# Altium PCB MB1428.PcbDoc (part 2 of 7) (continued)
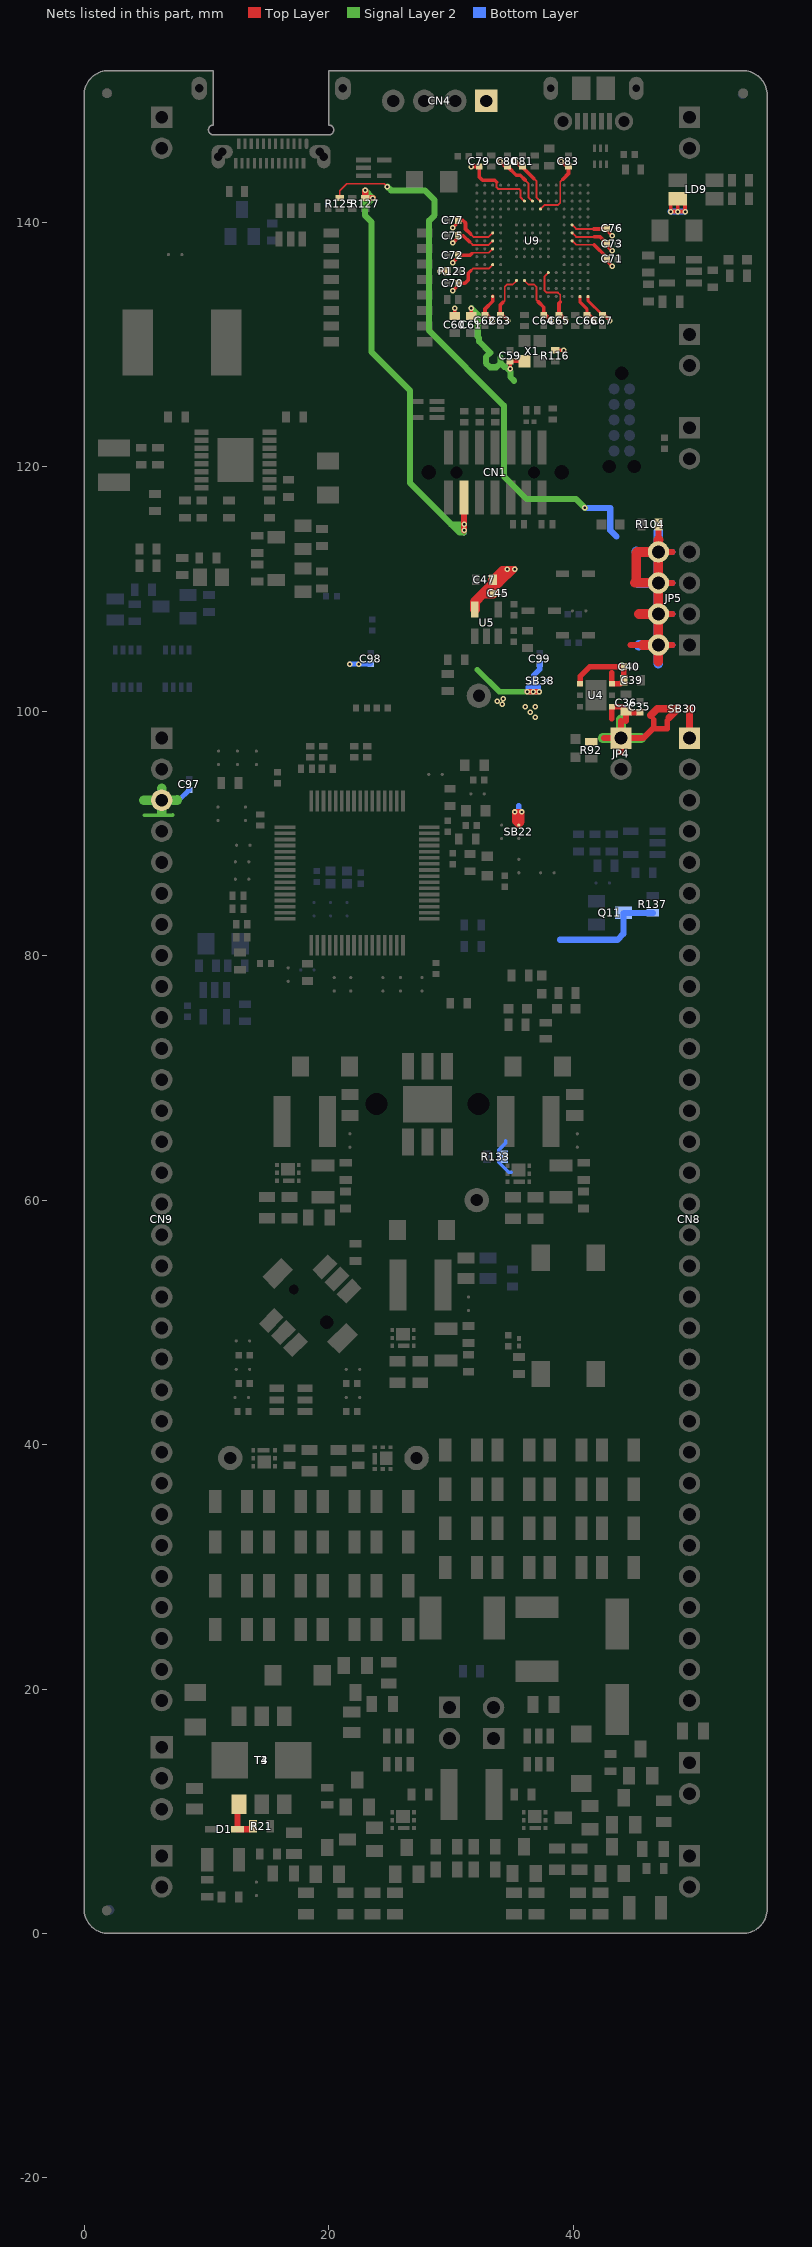
[diagram p4: the nets of this part, all layers, seen from the top]
## Part data (continued)
Q1 Q2 Q3 Q4: library part MCD-01518, "MOSFET, Single N-Channel , Vgs(th): 2.5V, Id: 280mA, Vds(max): 60V, Vgs(max): +/-20V, Rdson:3 ohm@Vgs=5V", Alternate_Manufacturer=FAIRCHILD, Alternate_Manufacturer_Part_Number=NDS7002A, Manufacturer="ON SEMICONDUCTOR", Package=SOT23-3L, ComponentLink1Description=Datasheet, ComponentLink1URL=http://tunmcdsvn.tun.st.com/Component_Datasheet_Library/Trunk/IC/ON_SEMICONDUCTOR_MOSFET_NDS7002A/ON_SEMICONDUCTOR_MOSFET_NDS7002A.pdf, Internal_Part_Number=MCD-01518, Manufacturer_Part_Number=NDS7002A, Part_Type=IC, Provided_By=SUBCO, Status="Footprint available"
Q5 Q6: library part MCD-01527, "Transistor Bipolar PNP, 45V, 500mA, 100MHz, 300mW, SOT23-3", Alternate_Manufacturer=NXP, Alternate_Manufacturer_Part_Number=BC807, Manufacturer=NEXPERIA, Package=PNP_SOT23, ComponentLink1Description=Datasheet, ComponentLink1URL=http://tunmcdsvn.tun.st.com/Component_Datasheet_Library/Trunk/IC/NEXPERIA_Transistor_BC807/NEXPERIA_BC807_BC807W_BC327.pdf, Internal_Part_Number=MCD-01527, Manufacturer_Part_Number=BC807, Part_Type=IC, Provided_By=SUBCO, Status="Footprint available"
Q7 Q8: library part MCD-01526, "Transistor Bipolar NPN, 45V, 500mA, 100MHz, 300mW, SOT23-3", Alternate_Manufacturer=NXP, Alternate_Manufacturer_Part_Number=BC817, Manufacturer=NEXPERIA, Package=SOT23-3, ComponentLink1Description=Datasheet, ComponentLink1URL=http://tunmcdsvn.tun.st.com/Component_Datasheet_Library/Trunk/IC/NEXPERIA_Transistor_BC817/NEXPERIA_BC817_BC817W_BC337.pdf, Internal_Part_Number=MCD-01526, Manufacturer_Part_Number=BC817, Part_Type=IC, Provided_By=SUBCO, Status="Footprint available"
Q9 Q10 Q14: library part MCD-00151, "N-channel enhancement mode field-effect transistor", Manufacturer=NXP, Manufacturer_Part_Number=BSN20, ComponentLink1Description=Datasheet, ComponentLink1URL=http://tunmcdsvn.tun.st.com/Component_Datasheet_Library/Trunk/IC/NXP_Transistor_BSN20BK_SOT23, Internal_Part_Number=MCD-00151, Part_Type=IC, Provided_By=SUBCO, Status=Released
Q11: library part MCD-01737, "NPN Bipolar Transistor", Manufacturer="ON SEMICONDUCTOR", Manufacturer_Part_Number=MMBT2222ALT1G, ComponentLink1Description=Datasheet, ComponentLink1URL=http://tunmcdsvn.tun.st.com/Component_Datasheet_Library/Trunk/IC/ON_SEMICONDUCTOR_Transistor_MMBT2222ALT1G/ON_SEMICONDUCTOR_Transistor_MMBT2222ALT1G.pdf, Internal_Part_Number=MCD-01737, Part_Type=IC, Provided_By=SUBCO, Status="Footprint available"
Q12 Q13: library part MCD-01126, "Power Mosfet, P-channel,VDS -30V,RDS 12mohm typ,ID -9A", Manufacturer=STMICROELECTRONICS, Manufacturer_Part_Number=STL9P3LLH6, Package="PowerFLAT 3.3x3.3", ComponentLink1Description=Datasheet, ComponentLink1URL=http://tunmcdsvn.tun.st.com/Component_Datasheet_Library/Trunk/IC/STM_POWER_MOSFET_P_STL9P3LLH6, Internal_Part_Number=MCD-01126, Part_Type=IC, Provided_By="SUBCO with ST control", Status=Checked
R1 R7 R12 R13 R66 R71 R73: library part MCD-01154, "Resistor,10K,0805,1%,1/8W", Manufacturer=YAGEO, Manufacturer_Part_Number=RC0805FR-0710KL, Package=R0805, ComponentLink1Description=Datasheet, ComponentLink1URL=http://tunmcdsvn.tun.st.com/Component_Datasheet_Library/Trunk/Resistors/Yageo_Resistor_RC0805-series, Internal_Part_Number=MCD-01154, Part_Type=Resistor, Provided_By=SUBCO, Status=Released
R2 R8 R15 R19 R20 R28 R57 R58 R65 R72 R74 R75: library part MCD-01548, "Resistor,10R,0805,1%, 1/8W", Manufacturer=YAGEO, Manufacturer_Part_Number=RC0805FR-0710RL, Package=R0805, ComponentLink1Description=Datasheet, ComponentLink1URL=http://tunmcdsvn.tun.st.com/Component_Datasheet_Library/Trunk/Resistors/Yageo_Resistor_RC0805-series/Yageo_Resistor_RC0805-series.pdf, Internal_Part_Number=MCD-01548, Part_Type=Resistor, Provided_By=SUBCO, Status="Footprint available"
R3 R4 R5 R6: library part MCD-01537, "Resistor,270R,0805,1%,1/8W", Manufacturer=YAGEO, Manufacturer_Part_Number=RC0805FR-07270RL, Package=R0805, ComponentLink1Description=Datasheet, ComponentLink1URL=http://tunmcdsvn.tun.st.com/Component_Datasheet_Library/Trunk/Resistors/Yageo_Resistor_RC0805-series/Yageo_Resistor_RC0805-series.pdf, Internal_Part_Number=MCD-01537, Part_Type=Resistor, Provided_By=SUBCO, Status="Footprint available"
R9: library part MCD-01546, "Resistor, 1R, 1206, 0.1%, 1/4W", Manufacturer=YAGEO, Manufacturer_Part_Number=RT1206BRD071RL, Package=R1206, ComponentLink1Description=Datasheet, ComponentLink1URL=http://tunmcdsvn.tun.st.com/Component_Datasheet_Library/Trunk/Resistors/YAGEO_Resistor_RT_series_High_Precision/YAGEO_Resistor_RT_series_High_Precision_1-to-0.01_RoHS_L_9.pdf, Internal_Part_Number=MCD-01546, Part_Type=Resistor, Provided_By=SUBCO, Status="Footprint available"
R10: library part MCD-00056, "Resistor,0R,0603,5%,1/10W", Manufacturer=YAGEO, Manufacturer_Part_Number=RC0603JR-070RL, Package=R0603, ComponentLink1Description=Datasheet, ComponentLink1URL=http://tunmcdsvn.tun.st.com/Component_Datasheet_Library/Trunk/Resistors/Yageo_Resistor_RC0603-series, ECCN_EU=NEC, ECCN_US=EAR99, Internal_Part_Number=MCD-00056, Part_Type=Resistor, Provided_By=SUBCO, Status=Released
R11: library part MCD-01654, "Resistor, 6K8, 0805, 0.1%, 1/8W, 50ppm", Manufacturer=VIKING, Manufacturer_Part_Number=AR05BTD6801, Package=R0805, ComponentLink1Description=Datasheet, ComponentLink1URL=http://tunmcdsvn.tun.st.com/Component_Datasheet_Library/Trunk/Resistors/VIKING_AR-Series_High_Precision/Viking_AR-Series_High_Precision.pdf, Internal_Part_Number=MCD-01654, Part_Type=Resistor, Provided_By=SUBCO, Status="Footprint available"
R14 R27: library part MCD-01547, "Resistor,47R,0805,1%,1/8W", Manufacturer=YAGEO, Manufacturer_Part_Number=RC0805FR-0747RL, Package=R0805, ComponentLink1Description=Datasheet, ComponentLink1URL=http://tunmcdsvn.tun.st.com/Component_Datasheet_Library/Trunk/Resistors/Yageo_Resistor_RC0805-series/Yageo_Resistor_RC0805-series.pdf, Internal_Part_Number=MCD-01547, Part_Type=Resistor, Provided_By=SUBCO, Status="Footprint available"
R16: library part MCD-01881, "Resistor,187R,1206,1%,1/4W", Manufacturer=YAGEO, Manufacturer_Part_Number=RC1206FR-07187RL, Package=R1206, ComponentLink1Description=Datasheet, ComponentLink1URL=http://tunmcdsvn.tun.st.com/Component_Datasheet_Library/Trunk/Resistors/Yageo_Resistor_RC1206-series/Yageo_Resistor_RC1206-series.pdf, ECCN_EU=n/a, ECCN_US=n/a, Internal_Part_Number=MCD-01881, Order_Code_Digikey=n/a, Order_Code_Farnell=n/a, Order_Code_RS=n/a, Part_Type=Resistor, Provided_By=SUBCO, Status="Footprint available"
R17: library part MCD-01652, "Resistor, 27K, 0805, 0.1%, 1/8W, 50ppm", Manufacturer=VIKING, Manufacturer_Part_Number=AR05BTD2702, Package=R0805, ComponentLink1Description=Datasheet, ComponentLink1URL=http://tunmcdsvn.tun.st.com/Component_Datasheet_Library/Trunk/Resistors/VIKING_AR-Series_High_Precision/Viking_AR-Series_High_Precision.pdf, Internal_Part_Number=MCD-01652, Part_Type=Resistor, Provided_By=SUBCO, Status="Footprint available"
R18: library part MCD-01653, "Resistor, 3K3, 0805, 0.1%, 1/8W, 50ppm", Manufacturer=VIKING, Manufacturer_Part_Number=AR05BTD3301, Package=R0805, ComponentLink1Description=Datasheet, ComponentLink1URL=http://tunmcdsvn.tun.st.com/Component_Datasheet_Library/Trunk/Resistors/VIKING_AR-Series_High_Precision/Viking_AR-Series_High_Precision.pdf, Internal_Part_Number=MCD-01653, Part_Type=Resistor, Provided_By=SUBCO, Status="Footprint available"
R21: library part MCD-01882, "Resistor,5K1,0603,1%,1/10W", Manufacturer=YAGEO, Manufacturer_Part_Number=RC0603FR-075K1L, Package=R0603, ComponentLink1Description=Datasheet, ComponentLink1URL=http://tunmcdsvn.tun.st.com/Component_Datasheet_Library/Trunk/Resistors/Yageo_Resistor_RC0603-series, ECCN_EU=n/a, ECCN_US=n/a, Internal_Part_Number=MCD-01882, Part_Type=Resistor, Provided_By=SUBCO, Status="Footprint available"
R22: library part MCD-01649, "Resistor, 13K3, 0805, 0.1%, 1/8W, 50ppm", Manufacturer=VIKING, Manufacturer_Part_Number=AR05BTD1332, Package=R0805, ComponentLink1Description=Datasheet, ComponentLink1URL=http://tunmcdsvn.tun.st.com/Component_Datasheet_Library/Trunk/Resistors/VIKING_AR-Series_High_Precision/Viking_AR-Series_High_Precision.pdf, Internal_Part_Number=MCD-01649, Part_Type=Resistor, Provided_By=SUBCO, Status="Footprint available"
R23 R26 R80 R82 R121: library part MCD-00070, "Resistor,1K,0603,1%,1/10W", Manufacturer=YAGEO, Manufacturer_Part_Number=RC0603FR-071KL, Package=R0603, ComponentLink1Description=Datasheet, ComponentLink1URL=http://tunmcdsvn.tun.st.com/Component_Datasheet_Library/Trunk/Resistors/Yageo_Resistor_RC0603-series, Internal_Part_Number=MCD-00070, Part_Type=Resistor, Provided_By=SUBCO, Status=Released
R24 R25 R132 R133: library part MCD-00181, "Resistor,0R,0603,ULO", Manufacturer=ROHM, Manufacturer_Part_Number=PMR03EZPJ000, Package=R0603, ComponentLink1Description=Datasheet, ComponentLink1URL=http://tunmcdsvn.tun.st.com/Component_Datasheet_Library/Trunk/Resistors/ROHM_ULtra_low_Ohmic_Resistor_PMR10EZPJ000, Internal_Part_Number=MCD-00181, Part_Type=Resistor, Provided_By=SUBCO, Status=Released
R29 R30 R31 R32 R33 R34 R35 R36 R37 R38 R39 R40 R41 R42 R43 R44 R45 R46 R47 R48 R49 R50 R51 R52 R53 R54 R55 R56 R61 R62 R63 R64: library part MCD-01681, "Resistor,33R,1206,1%,1/4W", Manufacturer=YAGEO, Manufacturer_Part_Number=RC1206FR-0733RL, Package=R1206, ComponentLink1Description=Datasheet, ComponentLink1URL=http://tunmcdsvn.tun.st.com/Component_Datasheet_Library/Trunk/Resistors/Yageo_Resistor_RC1206-series/Yageo_Resistor_RC1206-series.pdf, Internal_Part_Number=MCD-01681, Part_Type=Resistor, Provided_By=SUBCO, Status="Footprint available"
R59 R60 R83 R98 R103 R122 R141: library part MCD-00220, "Resistor,10K,0603,1%,1/10W", Manufacturer=YAGEO, Manufacturer_Part_Number=RC0603FR-0710KL, Package=R0603, ComponentLink1Description=Datasheet, ComponentLink1URL=http://tunmcdsvn.tun.st.com/Component_Datasheet_Library/Trunk/Resistors/Yageo_Resistor_RC0603-series, Internal_Part_Number=MCD-00220, Part_Type=Resistor, Provided_By=SUBCO, Status=Released
R67 R70: library part MCD-00224, "Resistor,100R,0603,1%,1/10W", Manufacturer=YAGEO, Manufacturer_Part_Number=RC0603FR-07100RL, Package=R0603, ComponentLink1Description=Datasheet, ComponentLink1URL=http://tunmcdsvn.tun.st.com/Component_Datasheet_Library/Trunk/Resistors/Yageo_Resistor_RC0603-series, Internal_Part_Number=MCD-00224, Part_Type=Resistor, Provided_By=SUBCO, Status=Released
R68 R76 R77: library part MCD-01528, "Resistor, 3R01, 1206, 1%, 1/4W", Manufacturer=YAGEO, Manufacturer_Part_Number=RC1206FR-073R01L, Package=R1206, ComponentLink1Description=Datasheet, ComponentLink1URL=http://tunmcdsvn.tun.st.com/Component_Datasheet_Library/Trunk/Resistors/Yageo_Resistor_RC1206-series/Yageo_Resistor_RC1206-series.pdf, Internal_Part_Number=MCD-01528, Part_Type=Resistor, Provided_By=SUBCO, Status="Footprint available"
R69 R78 R79: library part MCD-00456, "Resistor,33R,0603,1%,1/10W", Manufacturer=YAGEO, Manufacturer_Part_Number=RC0603FR-0733RL, Package=R0603, BMS_Part_Number=9129732, ComponentLink1Description=Datasheet, ComponentLink1URL=http://tunmcdsvn.tun.st.com/Component_Datasheet_Library/Trunk/Resistors/Yageo_Resistor_RC0603-series, Internal_Part_Number=MCD-00456, Part_Type=Resistor, Provided_By=SUBCO, Status=Released
R81 R92 R128 R129 R142: library part MCD-00197, "Resistor,330R,0603,1%,1/10W", Manufacturer=YAGEO, Manufacturer_Part_Number=RC0603FR-07330RL, Package=R0603, BMS_Part_Number=9129729, ComponentLink1Description=Datasheet, ComponentLink1URL=http://tunmcdsvn.tun.st.com/Component_Datasheet_Library/Trunk/Resistors/Yageo_Resistor_RC0603-series, Internal_Part_Number=MCD-00197, Part_Type=Resistor, Provided_By=SUBCO, Status=Released
R84 R85 R86 R87 R90 R91 R93 R94 R95 R96: library part MCD-00052, "Resistor,0R,0402,5%,1/16W", Manufacturer=YAGEO, Manufacturer_Part_Number=RC0402JR-070RL, Package=R0402, ComponentLink1Description=Datasheet, ComponentLink1URL=http://tunmcdsvn.tun.st.com/Component_Datasheet_Library/Trunk/Resistors/Yageo_Resistor_RC0402-series, Internal_Part_Number=MCD-00052, Part_Type=Resistor, Provided_By=SUBCO, Status=Released
R88 R105 R111 R112 R113 R114 R115: library part MCD-00481, "Resistor,47R,0402,1%,1/16W", Manufacturer=YAGEO, Manufacturer_Part_Number=RC0402FR-0747RL, Package=R0402, ComponentLink1Description=Datasheet, ComponentLink1URL=http://tunmcdsvn.tun.st.com/Component_Datasheet_Library/Trunk/Resistors/Yageo_Resistor_RC0402-series, Internal_Part_Number=MCD-00481, Part_Type=Resistor, Provided_By=SUBCO, Status=Released
R89: library part MCD-00354, "Resistor,470R,0603,1%,1/10W", Manufacturer=YAGEO, Manufacturer_Part_Number=RC0603FR-07470RL, Package=R0603, BMS_Part_Number=9129906, ComponentLink1Description=Datasheet, ComponentLink1URL=http://tunmcdsvn.tun.st.com/Component_Datasheet_Library/Trunk/Resistors/Yageo_Resistor_RC0603-series, Internal_Part_Number=MCD-00354, Part_Type=Resistor, Provided_By=SUBCO, Status=Released
R97: library part MCD-00341, "Resistor,15K,0603,1%,1/10W", Manufacturer=YAGEO, Manufacturer_Part_Number=RC0603FR-0715KL, Package=R0603, ComponentLink1Description=Datasheet, ComponentLink1URL=http://tunmcdsvn.tun.st.com/Component_Datasheet_Library/Trunk/Resistors/Yageo_Resistor_RC0603-series, Internal_Part_Number=MCD-00341, Part_Type=Resistor, Provided_By=SUBCO, Status=Released
R99: library part MCD-00414, "Resistor,180K,0603,1%,1/10W", Manufacturer=YAGEO, Manufacturer_Part_Number=RC0603FR-07180KL, Package=R0603, ComponentLink1Description=Datasheet, ComponentLink1URL=http://tunmcdsvn.tun.st.com/Component_Datasheet_Library/Trunk/Resistors/Yageo_Resistor_RC0603-series, ECCN_EU=NEC, ECCN_US=EAR99, Internal_Part_Number=MCD-00414, Part_Type=Resistor, Provided_By=SUBCO, Status=Released
R100: library part MCD-01571, "Resistor, 4K22, 0603, 1%, 1/10W", Manufacturer=YAGEO, Manufacturer_Part_Number=RC0603FR-074K22L, Package=R0603, ComponentLink1Description=Datasheet, ComponentLink1URL=http://tunmcdsvn.tun.st.com/Component_Datasheet_Library/Trunk/Resistors/Yageo_Resistor_RC0603-series, Internal_Part_Number=MCD-01571, Part_Type=Resistor, Provided_By=SUBCO, Status="Footprint available"
R101: library part MCD-01793, "Resistor, 64.9K, 0603, 1%, 1/10W", Manufacturer=YAGEO, Manufacturer_Part_Number=RC0603FR-0764K9L, Package=R0603, ComponentLink1Description=Datasheet, ComponentLink1URL=http://tunmcdsvn.tun.st.com/Component_Datasheet_Library/Trunk/Resistors/Yageo_Resistor_RC0603-series, ECCN_EU=NEC, ECCN_US=EAR99, Internal_Part_Number=MCD-01793, Part_Type=Resistor, Provided_By=SUBCO, Status="Footprint available"
R102: library part MCD-01794, "Resistor, 59K, 0603, 1%, 1/10W", Manufacturer=YAGEO, Manufacturer_Part_Number=RC0603FR-0759KL, Package=R0603, ComponentLink1Description=Datasheet, ComponentLink1URL=http://tunmcdsvn.tun.st.com/Component_Datasheet_Library/Trunk/Resistors/Yageo_Resistor_RC0603-series, ECCN_EU=NEC, ECCN_US=EAR99, Internal_Part_Number=MCD-01794, Part_Type=Resistor, Provided_By=SUBCO, Status="Footprint available"
R104: library part MCD-00528, "Resistor,820R,0603,1%,1/10W", Manufacturer=YAGEO, Manufacturer_Part_Number=RC0603FR-07820RL, Package=R0603, BMS_Part_Number=9129759, ComponentLink1Description=Datasheet, ComponentLink1URL=http://tunmcdsvn.tun.st.com/Component_Datasheet_Library/Trunk/Resistors/Yageo_Resistor_RC0603-series, Internal_Part_Number=MCD-00528, Part_Type=Resistor, Provided_By=SUBCO, Status=Released
R106 R117 R130: library part MCD-00119, "Resistor,100R,0402,1%,1/16W", Manufacturer=YAGEO, Manufacturer_Part_Number=RC0402FR-07100RL, Package=R0402, ComponentLink1Description=Datasheet, ComponentLink1URL=http://tunmcdsvn.tun.st.com/Component_Datasheet_Library/Trunk/Resistors/Yageo_Resistor_RC0402-series, Internal_Part_Number=MCD-00119, Part_Type=Resistor, Provided_By=SUBCO, Status=Released
R107: library part MCD-00424, "Resistor,200K,0603,1%,1/10W", Manufacturer=YAGEO, Manufacturer_Part_Number=RC0603FR-07200KL, Package=R0603, ComponentLink1Description=Datasheet, ComponentLink1URL=http://tunmcdsvn.tun.st.com/Component_Datasheet_Library/Trunk/Resistors/Yageo_Resistor_RC0603-series, ECCN_EU=NEC, ECCN_US=EAR99, Internal_Part_Number=MCD-00424, Part_Type=Resistor, Provided_By=SUBCO, Status=Released
R108 R135: library part MCD-01171, "Resistor,49K9,0603,1%", Manufacturer=YAGEO, Manufacturer_Part_Number=RC0603FR-0749K9L, Package=R0603, ComponentLink1Description=Datasheet, ComponentLink1URL=http://tunmcdsvn.tun.st.com/Component_Datasheet_Library/Trunk/Resistors/Yageo_Resistor_RC0603-series/, Internal_Part_Number=MCD-01171, Part_Type=Resistor, Provided_By=SUBCO, Status=Released
  R108: ECCN_EU=NEC, ECCN_US=EAR99
R109: library part MCD-01568, "Resistor, 787K, 0603, 1%, 1/10W", Manufacturer=YAGEO, Manufacturer_Part_Number=RC0603FR-07787KL, Package=R0603, ComponentLink1Description=Datasheet, ComponentLink1URL=http://tunmcdsvn.tun.st.com/Component_Datasheet_Library/Trunk/Resistors/Yageo_Resistor_RC0603-series, Internal_Part_Number=MCD-01568, Part_Type=Resistor, Provided_By=SUBCO, Status="Footprint available"
R110: library part MCD-01569, "Resistor, 1M05, 0603, 1%, 1/10W", Manufacturer=YAGEO, Manufacturer_Part_Number=RC0603FR-071M05L, Package=R0603, ComponentLink1Description=Datasheet, ComponentLink1URL=http://tunmcdsvn.tun.st.com/Component_Datasheet_Library/Trunk/Resistors/Yageo_Resistor_RC0603-series, Internal_Part_Number=MCD-01569, Part_Type=Resistor, Provided_By=SUBCO, Status="Footprint available"
R116 R118 R120 R123: library part MCD-00053, "Resistor,10K,0402,1%,1/16W", Manufacturer=YAGEO, Manufacturer_Part_Number=RC0402FR-0710KL, Package=R0402, ComponentLink1Description=Datasheet, ComponentLink1URL=http://tunmcdsvn.tun.st.com/Component_Datasheet_Library/Trunk/Resistors/Yageo_Resistor_RC0402-series, Internal_Part_Number=MCD-00053, Part_Type=Resistor, Provided_By=SUBCO, Status=Released
R119: library part MCD-00223, "Resistor,100K,0603,1%,1/10W", Manufacturer=YAGEO, Manufacturer_Part_Number=RC0603FR-07100KL, Package=R0603, ComponentLink1Description=Datasheet, ComponentLink1URL=http://tunmcdsvn.tun.st.com/Component_Datasheet_Library/Trunk/Resistors/Yageo_Resistor_RC0603-series, Internal_Part_Number=MCD-00223, Part_Type=Resistor, Provided_By=SUBCO, Status=Released
R124 R126 R127: library part MCD-00065, "Resistor,4K7,0402,1%,1/16W", Alternate_Manufacturer=YAGEO, Alternate_Manufacturer_Part_Number=RT0402FRE074K7L, Manufacturer_Part_Number=RC0402FR-074K7L, Package=R0402, ComponentLink1Description=Datasheet, ComponentLink1URL=http://tunmcdsvn.tun.st.com/Component_Datasheet_Library/Trunk/Resistors/Yageo_Resistor_RC0402-series, Internal_Part_Number=MCD-00065, Manufacturer=YAGEO, Part_Type=Resistor, Provided_By=SUBCO, Status=Released
R125: library part MCD-00055, "Resistor,2K7,0402,1%,1/16W", Manufacturer=YAGEO, Manufacturer_Part_Number=RC0402FR-072K7L, Package=R0402, ComponentLink1Description=Datasheet, ComponentLink1URL=http://tunmcdsvn.tun.st.com/Component_Datasheet_Library/Trunk/Resistors/Yageo_Resistor_RC0402-series, Internal_Part_Number=MCD-00055, Part_Type=Resistor, Provided_By=SUBCO, Status=Released
R131: library part MCD-00185, "Resistor,3K,0402,1%,1/16W", Manufacturer=YAGEO, Manufacturer_Part_Number=RC0402FR-073KL, Package=R0402, ComponentLink1Description=Datasheet, ComponentLink1URL=http://tunmcdsvn.tun.st.com/Component_Datasheet_Library/Trunk/Resistors/Yageo_Resistor_RC0402-series, Internal_Part_Number=MCD-00185, Part_Type=Resistor, Provided_By=SUBCO, Status=Released
R134: library part MCD-00478, "Resistor,43K,0603,1%,1/10W", Manufacturer=YAGEO, Manufacturer_Part_Number=RC0603FR-0743KL, Package=R0603, ComponentLink1Description=Datasheet, ComponentLink1URL=http://tunmcdsvn.tun.st.com/Component_Datasheet_Library/Trunk/Resistors/Yageo_Resistor_RC0603-series, Internal_Part_Number=MCD-00478, Part_Type=Resistor, Provided_By=SUBCO, Status=Released
R136: library part MCD-00458, "Resistor,330K,0603,1%,1/10W", Manufacturer=YAGEO, Manufacturer_Part_Number=RC0603FR-07330KL, Package=R0603, ComponentLink1Description=Datasheet, ComponentLink1URL=http://tunmcdsvn.tun.st.com/Component_Datasheet_Library/Trunk/Resistors/Yageo_Resistor_RC0603-series, Internal_Part_Number=MCD-00458, Part_Type=Resistor, Provided_By=SUBCO, Status=Released
R137: library part MCD-00342, "Resistor,180R,0603,1%,1/10W", Manufacturer=YAGEO, Manufacturer_Part_Number=RC0603FR-07180RL, Package=R0603, ComponentLink1Description=Datasheet, ComponentLink1URL=http://tunmcdsvn.tun.st.com/Component_Datasheet_Library/Trunk/Resistors/Yageo_Resistor_RC0603-series, Internal_Part_Number=MCD-00342, Part_Type=Resistor, Provided_By=SUBCO, Status=Released
R138: library part MCD-01669, "Resistor, 10K, 0603, 0.1%,1/10W", Manufacturer=PANASONIC, Manufacturer_Part_Number=ERA3AEB103V, Package=R0603, ComponentLink1Description=Datasheet, ComponentLink1URL=http://tunmcdsvn.tun.st.com/Component_Datasheet_Library/Trunk/Resistors/PANASONIC_Resistor_ERA-Series_HighReliability/PANASONIC_Resistor_ERA-Series_HighReliability.pdf, Internal_Part_Number=MCD-01669, Part_Type=Resistor, Provided_By=SUBCO, Status="Footprint available"
R139: library part MCD-01670, "Resistor, 33K, 0603, 0.1%,1/10W", Manufacturer=PANASONIC, Manufacturer_Part_Number=ERA3AEB333V, Package=R0603, ComponentLink1Description=Datasheet, ComponentLink1URL=http://tunmcdsvn.tun.st.com/Component_Datasheet_Library/Trunk/Resistors/PANASONIC_Resistor_ERA-Series_HighReliability/PANASONIC_Resistor_ERA-Series_HighReliability.pdf, Internal_Part_Number=MCD-01670, Part_Type=Resistor, Provided_By=SUBCO, Status="Footprint available"
R140: library part MCD-00494, "Resistor,56K,0603,1%,1/10W", Manufacturer=YAGEO, Manufacturer_Part_Number=RC0603FR-0756KL, Package=R0603, ComponentLink1Description=Datasheet, ComponentLink1URL=http://tunmcdsvn.tun.st.com/Component_Datasheet_Library/Trunk/Resistors/Yageo_Resistor_RC0603-series, Internal_Part_Number=MCD-00494, Part_Type=Resistor, Provided_By=SUBCO, Status=Released
SB1 SB13 SB18 SB22 SB28 SB34 SB35 SB36 SB37: library part MCD-00072, "Solder Bridge OFF", Manufacturer=YAGEO, Manufacturer_Part_Number=RC0603JR-070RL, Package=SB0603, ComponentLink1Description=Datasheet, ComponentLink1URL=http://tunmcdsvn.tun.st.com/Component_Datasheet_Library/Trunk/Resistors/Yageo_Resistor_RC0603-series, Internal_Part_Number=MCD-00072, Part_Type=Mechanical, Provided_By=SUBCO, Status=Released
SB2 SB3 SB4 SB5 SB6 SB7 SB8 SB9 SB10 SB11 SB12 SB14 SB15 SB16 SB17 SB19 SB20 SB21 SB23 SB24 SB25 SB26 SB27 SB29 SB30 SB31 SB32 SB33 SB38: library part MCD-00071, "Solder Bridge ON", Manufacturer=YAGEO, Manufacturer_Part_Number=RC0603JR-070RL, Package=SB0603, ComponentLink1Description=Datasheet, ComponentLink1URL=http://tunmcdsvn.tun.st.com/Component_Datasheet_Library/Trunk/Resistors/Yageo_Resistor_RC0603-series, Internal_Part_Number=MCD-00071, Part_Type=Mechanical, Provided_By=SUBCO, Status=Released
  SB31: ECCN_EU=n/a, ECCN_US=n/a
SW1: library part MCD-01685, "8 positions, Side Actuated DIP switch, 1.27mm, SMT, height 4.1mm, piano type", Manufacturer=C&K, Manufacturer_Part_Number=TDP08H1SBD1, ComponentLink1Description=Datasheet, ComponentLink1URL=http://tunmcdsvn.tun.st.com/Component_Datasheet_Library/Trunk/Misc/C&K_1.27mm_SMT_DIP_Switches_TDP_Series/C&K_1.27mm_SMT_DIP_Switches_TDP_Series.pdf, Internal_Part_Number=MCD-01685, Part_Type=Misc, Provided_By=SUBCO, Status="Footprint available"
T1 T2 T7 T8 T9 T10 T11: library part MCD-01028, "N-channel 20 V, 0.025 O typ., 6 A STripFET™ V Power MOSFET in a PowerFLAT™ 2x2 package", Manufacturer=STMICROELECTRONICS, Manufacturer_Part_Number=STL6N2VH5, Package="PowerFLAT 2x2", BMS_Part_Number=9153558, ComponentLink1Description=Datasheet, ComponentLink1URL=http://tunmcdsvn.tun.st.com/Component_Datasheet_Library/Trunk/IC/STM_POWER_MOSFET_N_STL6N2VH5, Internal_Part_Number=MCD-01028, Part_Type=IC, Provided_By="SUBCO with ST control", Status=Checked
T3: library part MCD-01596, "Current Sense Transformer, 1:250 ratio, xx mohm / 20 ohms, 11mH, 10A", Manufacturer="WURTH ELEKTRONIK", Manufacturer_Part_Number=750317809, ComponentLink1Description=Datasheet, ComponentLink1URL=http://tunmcdsvn.tun.st.com/Component_Datasheet_Library/Trunk/IC/WURTH_Current_Sense_Transformer_750317809/WURTH_Current_Sense_Transformer_750317809.pdf, Internal_Part_Number=MCD-01596, Part_Type=Inductor, Provided_By=SUBCO, Status="Footprint available"
T4: library part MCD-01570, "Current Sense Transformer, 1:125 ratio, 6 mohm / 6.5 ohms, 3mH, 10A", Manufacturer="WURTH ELEKTRONIK", Manufacturer_Part_Number=749251125, ComponentLink1Description=Datasheet, ComponentLink1URL=http://tunmcdsvn.tun.st.com/Component_Datasheet_Library/Trunk/IC/WURTH_Current_Sense_Transformer_749251125/WURTH_Current_Sense_Transformer_749251125.pdf, Internal_Part_Number=MCD-01570, Part_Type=IC, Provided_By=SUBCO, Status="Footprint available"
T5 T6: library part MCD-00574, "Power MOSFET - P-Channel 30 V, 0.048 ? typ., 4 A STripFET H6 DeepGATE - SOT23-6L", Alternate_Manufacturer=STMICROELECTRONICS, Alternate_Manufacturer_Part_Number=STT7P2UH7, Manufacturer_Part_Number=STT4P3LLH6, BMS_Part_Number=9153046, ComponentLink1Description=Datasheet, ComponentLink1URL=http://tunmcdsvn.tun.st.com/Component_Datasheet_Library/Trunk/IC/STM_POWER_MOSFET_STT4P3LLH6, Internal_Part_Number=MCD-00574, Manufacturer=STMICROELECTRONICS, Part_Type=IC, Provided_By="SUBCO with ST control", Status="Footprint available"
TP1 TP2 TP3 TP4: library part MCD-01506, "Test Point trought hole 1mm/2mm", Manufacturer=n/a, ComponentLink1Description=Datasheet, ComponentLink1URL=n/a, Internal_Part_Number=MCD-01506, Manufacturer_Part_Number=n/a, Part_Type=Mechanical, Provided_By=n/a, Status=Released
U1: library part MCD-01066, "5 unidirectional Transil diodes ESD protection", Manufacturer=STMICROELECTRONICS, Manufacturer_Part_Number=ESDA6V1-5SC6, Package=SOT23-6L, BMS_Part_Number=9179044, ComponentLink1Description=Datasheet, ComponentLink1URL=http://tunmcdsvn.tun.st.com/Component_Datasheet_Library/Trunk/Diodes/STM_ESD_ESDA6V1_5SC6, Internal_Part_Number=MCD-01066, Part_Type=Diode, Provided_By="SUBCO with ST control", Status=Released
U2 U7: library part MCD-00170, "ESD protection 6V1", Manufacturer=STMICROELECTRONICS, Manufacturer_Part_Number=ESDALC6V1-1U2, BMS_Part_Number=9151132, ComponentLink1Description=Datasheet, ComponentLink1URL=http://tunmcdsvn.tun.st.com/Component_Datasheet_Library/Trunk/Diodes/STM_ESD_ESDALC6V1-1U2, Internal_Part_Number=MCD-00170, Part_Type=Diode, Provided_By="SUBCO with ST control", Status=Released
U3: library part MCD-01584, "STM32G474RET6U MCU, LQFP64 10x10, 1.6, 512KB Flash, 128KB SRAM", Manufacturer=STMICROELECTRONICS, Package="LQFP64 10x10 x 1.6", ComponentLink1Description=Datasheet, ComponentLink1URL=http://tunmcdsvn.tun.st.com/Component_Datasheet_Library/Trunk/IC/STM_MCU_STM32G474RET6U/STM_MCU_STM32G474RET6U.pdf, ECCN_EU=NEC, ECCN_US=3A991A2, Internal_Part_Number=MCD-01584, Manufacturer_Part_Number=STM32G474RET6U, Part_Type=IC, Provided_By="SUBCO with ST control", Status=Checked
U4: library part MCD-00215, "Low quiescent current and low noise voltage regulators", Manufacturer=STMICROELECTRONICS, Manufacturer_Part_Number=LD39050PU33R, Package="DFN6 3x3mm", BMS_Part_Number=9176126, ComponentLink1Description=Datasheet, ComponentLink1URL=http://tunmcdsvn.tun.st.com/Component_Datasheet_Library/Trunk/IC/STM_LDO_LD39050PU, Internal_Part_Number=MCD-00215, Part_Type=IC, Provided_By="SUBCO with ST control", Status=Released
U5: library part MCD-00086, "Ultra low drop-low noise BiCMOS voltage, regulators low ESR capacitors compatible", Manufacturer=STMICROELECTRONICS, Manufacturer_Part_Number=LD3985M33R, BMS_Part_Number=9176161, ComponentLink1Description=Datasheet, ComponentLink1URL=http://tunmcdsvn.tun.st.com/Component_Datasheet_Library/Trunk/IC/STM_LDO_LD3985, Internal_Part_Number=MCD-00086, Part_Type=IC, Provided_By="SUBCO with ST control", Status=Released
U6: library part MCD-01593, "Integrated Circuit 40V, 1A Synchronous Buck-Boost DC/DC Converter with Programmable Output Current, -40°C to 150°C", Manufacturer="LINEAR TECHNOLOGY", Manufacturer_Part_Number=LTC3114HFE-1-TRPBF, Package="16-Lead Plastic TSSOP + exposed pad", ComponentLink1Description=Datasheet, ComponentLink1URL=http://tunmcdsvn.tun.st.com/Component_Datasheet_Library/Trunk/IC/LINEAR_TECHNOLOGY_Buck_Boost_Converter_LTC3114-1, Internal_Part_Number=MCD-01593, Part_Type=IC, Provided_By=SUBCO, Status="Footprint available"
U8 U13: library part MCD-00136, "Dual Transil array for ESD protection", Manufacturer=STMICROELECTRONICS, Manufacturer_Part_Number=ESDALC6V1W5, BMS_Part_Number=9151112, ComponentLink1Description=Datasheet, ComponentLink1URL=http://tunmcdsvn.tun.st.com/Component_Datasheet_Library/Trunk/Diodes/STM_ESD_ESDALC6V1W5, Internal_Part_Number=MCD-00136, Part_Type=Diode, Provided_By="SUBCO with ST control", Status=Released
U9: library part MCD-00596, "STM32F723IEK  (STM32F7) BGA176", Manufacturer=STMICROELECTRONICS, Manufacturer_Part_Number=STM32F723IEK6, BMS_Part_Number=9175300, ComponentLink1Description=Datasheet, ComponentLink1URL=http://tunmcdsvn.tun.st.com/Component_Datasheet_Library/Trunk/IC/BGA176+25L_10x10x0.6_pitch0.65, Internal_Part_Number=MCD-00596, Part_Type=IC, Provided_By="SUBCO with ST control", Status=Released
U10: library part MCD-00159, "500mA, Enhanced single channel power switches with active high enable pin", Alternate_Manufacturer="TEXAS INSTRUMENTS", Alternate_Manufacturer_Part_Number=TPS2051C, Manufacturer=STMICROELECTRONICS, Manufacturer_Part_Number=STMPS2151STR, BMS_Part_Number=9159009, ComponentLink1Description=Datasheet, ComponentLink1URL=http://tunmcdsvn.tun.st.com/Component_Datasheet_Library/Trunk/IC/STM_PWR-Switch_STMPS2151STR, Internal_Part_Number=MCD-00159, Part_Type=IC, Provided_By="SUBCO with ST control", Status=Released
U11: library part MCD-00163, "Very low capacitance ESD protection", Manufacturer=STMICROELECTRONICS, Manufacturer_Part_Number=USBLC6-2SC6, BMS_Part_Number=9151075, ComponentLink1Description=Datasheet, ComponentLink1URL=http://tunmcdsvn.tun.st.com/Component_Datasheet_Library/Trunk/Diodes/STM_ESD_USBLC6-2, Internal_Part_Number=MCD-00163, Part_Type=IC, Provided_By="SUBCO with ST control", Status=Released
U12: library part MCD-01207, "High power Transient voltage suppressor:25V/35A EOS and ESD transients protection.", Manufacturer=STMICROELECTRONICS, Manufacturer_Part_Number=ESDA25P35-1U1M, Package=QFN1610, BMS_Part_Number=9179045, ComponentLink1Description=Datasheet, ComponentLink1URL=http://tunmcdsvn.tun.st.com/Component_Datasheet_Library/Trunk/Diodes/STM_ESD_ESDA25P35-1U1M, Internal_Part_Number=MCD-01207, Part_Type=Diode, Provided_By="SUBCO with ST control", Status=Checked
U14: library part MCD-00251, "High power transient voltage suppressor, 7V breakdown", Manufacturer=STMICROELECTRONICS, Manufacturer_Part_Number=ESDA7P60-1U1M, BMS_Part_Number=9179042, ComponentLink1Description=Datasheet, ComponentLink1URL=http://tunmcdsvn.tun.st.com/Component_Datasheet_Library/Trunk/Diodes/STM_ESD_ESDA7P60-1U1M, Internal_Part_Number=MCD-00251, Part_Type=Diode, Provided_By="SUBCO with ST control", Status=Released
U15: library part MCD-00649, "Common mode filter with ESD protection for USB 2.0 interface", Manufacturer=STMICROELECTRONICS, Manufacturer_Part_Number=ECMF02-2AMX6, BMS_Part_Number=9151138, ComponentLink1Description=Datasheet, ComponentLink1URL=http://tunmcdsvn.tun.st.com/Component_Datasheet_Library/Trunk/Diodes/STM_ESD_ECMF02-2AMX6, Internal_Part_Number=MCD-00649, Part_Type=Diode, Provided_By="SUBCO with ST control", Status=Released
U16: library part MCD-01192, "Single, dual, and quad rail to rail input/ouput 8Mhz operational amplifiers", Manufacturer=STMICROELECTRONICS, Manufacturer_Part_Number=TSV911ILT, Package=SOT23-5, BMS_Part_Number=9177436, ComponentLink1Description=Datasheet, ComponentLink1URL=http://tunmcdsvn.tun.st.com/Component_Datasheet_Library/Trunk/IC/STM_Amp_TSV91xx, Internal_Part_Number=MCD-01192, Part_Type=IC, Provided_By="SUBCO with ST control", Status=Checked
U17: library part MCD-01157, "Programmable voltage reference", Manufacturer=STMICROELECTRONICS, Manufacturer_Part_Number=TL1431ACL5T, Package=SOT23-5L, ComponentLink1Description=Datasheet, ComponentLink1URL=http://tunmcdsvn.tun.st.com/Component_Datasheet_Library/Trunk/IC/STM_voltage_reference_TL1431ACL5T/, Internal_Part_Number=MCD-01157, Part_Type=IC, Provided_By="SUBCO with ST control", Status=Checked
U18: library part MCD-00255, "Dual Transil array ESD protection", Manufacturer=STMICROELECTRONICS, Manufacturer_Part_Number=ESDA6V1L, BMS_Part_Number=9179033, ComponentLink1Description=Datasheet, ComponentLink1URL=http://tunmcdsvn.tun.st.com/Component_Datasheet_Library/Trunk/Diodes/STM_ESD_ESDAxxL, Internal_Part_Number=MCD-00255, Part_Type=Diode, Provided_By="SUBCO with ST control", Status=Released
X1: library part MCD-00597, "Oscillator 25Mhz, +-50ppm, Vcc:3.3V typ, square wave: [0.1Vcc;0.9Vcc], Enable pin, SMD", Alternate_Manufacturer=NDK, Alternate_Manufacturer_Part_Number="NZ2520SB 25MHz END4869B", Manufacturer_Part_Number="NZ2520SH 25MHz END4869C", BMS_Part_Number=9157050, ComponentLink1Description=Datasheet, ComponentLink1URL="http://tunmcdsvn.tun.st.com/Component_Datasheet_Library/Trunk/Crystal_Osc/NDK_NZ2520SH 25MHz END4869C", Internal_Part_Number=MCD-00597, Manufacturer=NDK, Part_Type=Crystal_Osc, Provided_By=SUBCO, Status=Released
X2: library part MCD-01036, "Crystal 24MHz, 6pF, +-20ppm, 80ohms max, SMD", Manufacturer=NDK, Manufacturer_Part_Number="NX2016SA 24MHz EXS00A-CS10820", Package="(2016) 2.0 x 1.6 x 0.45 mm", BMS_Part_Number=9157045, ComponentLink1Description=Datasheet, ComponentLink1URL="http://tunmcdsvn.tun.st.com/Component_Datasheet_Library/Trunk/Crystal_Osc/NDK_NX2016SA 24MHz EXS00A-CS10820 (EXS10B-27366B)", Internal_Part_Number=MCD-01036, Order_Code_Digikey=644-1365, Part_Type=Crystal_Osc, Provided_By=SUBCO, Status=Checked

## Via types
v1: diameter 0.45, hole 0.2, Top Layer to Bottom Layer, tented both sides, 1460 vias
v2: diameter 0.6, hole 0.2, Top Layer to Bottom Layer, tented both sides, 9 vias

## Nets (pads, with @x,y where several pads share a name; then routed paths per layer and width w, separated by ;. In a path a pad name is that pad's centre, name@x,y a point inside that pad or via, vN(x,y) a via of type N, cw(c..) or ccw(c..) an arc to the next point about the centre after c; other vN are vias at no path point)
1S: D1.2 R21.1 T3.1 T4.1 | length 3.5
  Top Layer w0.5: T3.1@12.675,10.575 12.545,10.445 D1.2@12.545,8.525 13.575,8.525 R21.1@13.825,8.775
3V3: C35.2 C36.2 CN1.3 JP4.1 R92.2 R127.2 SB22.1 SB30.1 U4.4 | length 68.4
  Top Layer w0.3: v1(31.085,115.282) v1@31.095,115.292
  Top Layer w0.45: 43.175,99.375 U4.4@43.175,100.35 43.975,100.35 C36.2@44.35,99.975 ; 46.6,99.3 46.6,98.625 46.675,98.55 47.725,98.55 47.725,99.225
  Top Layer w0.5: v1(23.005,142.6) R127.2@23.005,141.975 v1(23.63,141.975) ; v1@31.085,114.8 v1(31.085,115.282) ; v1@31.095,115.292 CN1.3@31.095,117.493 ; 42.56,97.79 JP4.1@43.93,97.79 ; 43.93,96.655 JP4.1@43.93,97.79 ; 43.93,99.195 JP4.1@43.93,97.79 ; 44.35,99.2 C36.2@44.35,99.975 44.425,99.9 C35.2@45.475,99.9 ; 46.6,98.625 45.765,97.79 JP4.1@43.93,97.79 ; SB22.1@35.564,90.679 35.8,90.915 v1(35.8,91.75) ; SB22.1@35.564,90.679 35.25,90.993 v1(35.25,91.75) v1(35.8,91.75) ; SB22.1@35.564,90.679 35.564,91.514 v1(35.8,91.75)
  Top Layer w0.6: 46.35,99.65 46.9,100.2 SB30.1@48.425,100.2 48.425,100.025 47.85,99.45
  Signal Layer 2 w0.5: 23.005,141.35 23.005,141.975 ; 23.005,141.35 v1(23.63,141.975) ; 23.005,141.35 22.975,141.32 22.975,140.55 23.5,140.025 23.5,129.4 26.675,126.225 26.675,118.65 30.043,115.282 ; 23.005,141.975 v1(23.005,142.6) v1(23.63,141.975) ; 23.005,141.975 v1(23.63,141.975) ; 30.043,115.282 30.393,115.282 ; 30.043,115.282 30.72,114.605 v1@31.07,114.605 ; 30.393,115.282 v1(31.085,115.282) 31.085,114.605 v1@31.07,114.605 ; 30.393,115.282 v1@31.07,114.605
  Signal Layer 2 w0.8: 42.425,97.8 JP4.1@43.93,97.8 ; JP4.1@43.93,97.79 JP4.1@43.93,97.8 ; 43.93,99.32 JP4.1@43.93,97.8 ; 45.575,97.8 JP4.1@43.93,97.8
  Bottom Layer w0.3: v1(23.005,142.6) 23.613,141.992 v1@23.613,141.975
  Bottom Layer w0.45: 35.564,91.804 35.564,92.279
  Bottom Layer w0.5: v1@31.085,114.605 v1(31.085,115.282)
  other v1: 36.925,99.5 36.5,99.925 36.075,100.375 36.925,100.375 34.225,100.575 33.8,100.825 34.275,101 31.1,114.8
3V3_OUT: CN8.1 SB30.2 | length 2.4
  Top Layer w0.6: SB30.2@49.525,100.2 49.525,97.795 CN8.1@49.53,97.79
3V3_STLK: C45.2 C47.2 C59.2 C60.2 C61.2 C62.2 C63.2 C64.2 C65.2 C66.2 C67.2 C70.2 C71.2 C72.2 C73.2 C75.2 C76.2 C77.2 C79.2 C80.2 C81.2 C83.2 CN4.1 LD9.4 R116.1 R123.1 U5.5 U9.C1 U9.C5 U9.C7 U9.C8 U9.C9 U9.F3 U9.G3 U9.G13 U9.H13 U9.J12 U9.J13 U9.K4 U9.N8 U9.N9 U9.N10 U9.P1 U9.R1 X1.4 | length 104
  Top Layer w0.15: 31.53,138.4 31.785,138.145 33.1,138.145 U9.C8@33.43,138.475 ; 31.63,136.025 31.805,136.2 33.105,136.2 U9.C5@33.43,136.525 ; 31.63,139.025 31.855,138.8 33.105,138.8 U9.C9@33.43,139.125 ; 31.705,137.425 31.785,137.505 33.11,137.505 U9.C7@33.43,137.825 ; 34.255,133.425 34.41,133.58 34.41,134.708 34.597,134.895 35.05,134.895 U9.F3@35.38,135.225 ; U9.G3@36.03,135.225 36.35,134.905 36.825,134.905 37.005,134.725 37.005,133.65 37.18,133.475 ; U9.J12@37.33,141.075 37.65,141.395 38.753,141.395 38.96,141.602 38.96,143.305 39.155,143.5 ; U9.K4@37.98,135.875 37.66,135.555 37.66,134.442 37.857,134.245 38.763,134.245 38.955,134.053 38.955,133.475 ; U9.N8@39.93,138.475 40.25,138.155 41.725,138.155 ; U9.N9@39.93,139.125 40.255,138.8 41.73,138.8 ; U9.N10@39.93,139.775 40.255,139.45 41.705,139.45
  Top Layer w0.16: 33.755,143.275 33.755,143.16 33.755,142.85 33.905,142.7 35.48,142.7 ; 35.515,142.7 35.605,142.7 35.705,142.6 35.705,142.24 35.705,142.05 U9.G13@36.03,141.725 ; 36.08,143.45 36.355,143.175 36.355,142.05 U9.H13@36.68,141.725 ; 36.805,143.575 37.005,143.375 37.005,142.05 U9.J13@37.33,141.725
  Top Layer w0.25: U9.P1@40.58,133.925 40.58,133.45 41.155,132.875 C66.2@41.155,132.4 ; U9.R1@41.23,133.925 41.23,133.575 C67.2@42.405,132.4
  Top Layer w0.3: v1(29.08,135.975) R123.1@29.705,135.975 ; v1(30.155,134.4) 30.605,134.85 C70.2@30.605,135 31.155,135 31.43,135.275 31.43,135.825 31.63,136.025 ; v1(30.155,136.7) 30.605,137.15 C72.2@30.605,137.3 31.58,137.3 31.705,137.425 ; v1(30.155,138.3) 30.605,138.75 C75.2@30.605,138.9 31.03,138.9 31.53,138.4 ; v1(30.155,139.55) C77.2@30.605,140 ; C60.2@30.33,132.325 v1(30.33,132.975) ; C77.2@30.655,140 C77.2@30.605,140 ; 31.63,139.025 31.205,139.45 31.205,139.925 30.98,140.15 C77.2@30.605,140.15 C77.2@30.605,140 ; C61.2@31.68,132.325 v1(31.68,132.975) ; v1(31.68,144.55) C79.2@32.33,144.55 32.33,143.7 32.605,143.425 33.605,143.425 33.755,143.275 ; C62.2@32.805,132.4 32.805,132.9 33.43,133.525 U9.C1@33.43,133.925 ; C62.2@32.955,132.4 v1(33.405,131.95) ; v1(34.03,145) 34.48,144.55 C80.2@34.63,144.55 ; C63.2@34.055,132.4 34.055,133.225 34.255,133.425 ; C63.2@34.205,132.4 v1(34.655,131.95) ; C80.2@34.63,144.525 34.68,144.525 35.355,143.85 35.68,143.85 36.08,143.45 ; v1(34.855,128) C59.2@34.855,128.625 X1.4@36.03,128.625 ; v1(35.28,145) 35.73,144.55 C81.2@35.88,144.55 35.88,144.475 36.78,143.575 ; 37.18,133.475 37.605,133.05 C64.2@37.605,132.4 37.755,132.4 v1(38.205,131.95) ; R116.1@38.53,129.525 v1(39.255,129.525) ; 38.955,133.475 38.855,133.375 C65.2@38.855,132.4 39.005,132.4 v1(39.455,131.95) ; v1(39.03,145) C83.2@39.48,144.55 ; 39.155,143.5 39.63,143.975 39.63,144.4 C83.2@39.48,144.55 ; C83.2@39.63,144.55 C83.2@39.48,144.55 ; C66.2@41.155,132.4 41.305,132.4 v1(41.755,131.95) ; 41.705,139.45 42.705,139.45 C76.2@42.755,139.5 42.755,139.35 v1(43.205,138.9) ; 41.725,138.155 42.755,137.125 C71.2@42.755,137 42.755,136.85 v1(43.205,136.4) ; 41.73,138.8 42.205,138.8 C73.2@42.755,138.25 42.755,138.1 v1(43.205,137.65) ; C67.2@42.405,132.4 42.555,132.4 v1(43.005,131.95) ; LD9.4@47.99,141.93 v1(47.99,140.87) v1@48.575,140.87 ; v1(48.575,140.865) v1@48.575,140.87 ; LD9.4@48.575,141.925 v1@48.575,140.87 ; LD9.4@49.165,141.93 v1(49.165,140.87) v1@48.575,140.87
  Top Layer w0.5: C45.2@33.45,109.625 33.45,109.85 34.025,110.425 ; C47.2@33.45,110.75 33.775,110.425 34.025,110.425 ; C47.2@33.45,110.75 33.925,110.75 34.625,111.45 v1(34.625,111.625) ; C47.2@33.45,110.75 33.45,110.89 34.185,111.625 v1(34.625,111.625) ; 34.025,110.425 v1(35.225,111.625) v1(34.625,111.625)
  Top Layer w0.8: U5.5@31.975,108.325 31.975,108.95 32.65,109.625 ; C45.2@33.45,109.625 32.65,109.625 ; C45.2@33.45,109.85 C47.2@33.45,110.425 ; C47.2@33.45,110.75 C47.2@33.45,110.425 ; 32.65,109.625 C47.2@33.45,110.425
  Signal Layer 2 w0.5: v1(31.68,132.975) 32.21,132.445 32.21,130.629 32.31,130.529 32.31,130.242 33.229,129.323 33.229,129.32 32.88,128.971 32.88,128.479 33.229,128.13 33.721,128.13 34.07,128.479 34.07,128.482 ; 34.07,128.93 34.07,128.482 ; 35.185,127.029 34.885,127.329 34.885,127.766 34.478,128.173 34.379,128.173 34.07,128.482
  Bottom Layer w0.5: v1(34.625,111.625) v1(35.225,111.625) ; v1(47.99,140.87) v1(49.165,140.87)
5V: C39.2 C40.2 JP5.2 JP5.4 JP5.6 JP5.8 Q11.3 R104.2 R125.1 R133.1 R137.2 SB38.1 U4.1 U4.6 | length 116.4
  Top Layer w0.12: R125.1@20.905,141.975 20.905,142.58 21.475,143.15 24.565,143.15 v1(24.81,142.905)
  Top Layer w0.2: JP5.8@46.99,113.03 46.99,114.025 ; R104.2@46.99,114.89 47,114.9 R104.2@47,115.275
  Top Layer w0.45: U4.1@40.575,102.25 40.575,102.85 41.375,103.65 C40.2@44.15,103.65 C39.2@44.15,102.525 43.875,102.25 U4.6@43.175,102.25 43.175,103.125
  Top Layer w0.5: 44.71,105.41 45.675,105.41 ; JP5.2@46.975,105.41 JP5.2@46.99,105.41 48.14,105.41 ; JP5.4@46.99,107.95 48.155,107.95 ; JP5.6@46.99,110.49 48.155,110.49 ; 46.99,114.025 R104.2@46.99,114.89 ; JP5.8@47,113.04 JP5.8@46.99,113.03 48.155,113.03
  Top Layer w0.8: 45.4,107.95 JP5.4@46.975,107.95 ; 45.675,105.41 JP5.2@46.975,105.41 ; 46.975,104.05 JP5.2@46.975,105.41 ; JP5.4@46.99,107.95 JP5.4@46.975,107.95 ; JP5.8@46.99,113.03 JP5.8@46.975,113.03 ; 46.99,114.025 46.975,114.01 JP5.8@46.975,113.03 ; JP5.2@46.975,105.41 JP5.4@46.975,107.95 ; JP5.4@46.975,107.95 JP5.6@46.975,110.49 ; JP5.6@46.975,110.49 46.965,110.5 45.075,110.5 45.175,110.6 45.175,112.96 45.245,113.03 JP5.8@46.975,113.03 ; JP5.6@46.975,110.49 JP5.8@46.975,113.03
  Signal Layer 2 w0.5: v1(24.81,142.905) 25.115,142.6 27.875,142.6 28.675,141.8 28.675,140.586 28.225,140.136 28.225,131.125 34.35,125 34.35,119.225 36.225,117.35 40.25,117.35 v1(40.975,116.625)
  Bottom Layer w0.3: 34.5,64.85 34.5,64.675 33.925,64.1 33.925,63.1 34.75,62.275 34.925,62.275
  Bottom Layer w0.5: 38.95,81.3 43.65,81.3 44.125,81.775 Q11.3@44.125,83.5 R137.2@46.525,83.5 ; v1(40.975,116.625) 43.025,116.625 43.05,116.6 ; 43.075,116.625 43.05,116.6 ; 43.55,114.3 43.05,114.8 43.05,116.6 ; JP5.2@46.99,105.41 48.14,105.41 ; JP5.4@46.99,107.95 48.155,107.95 ; JP5.6@46.99,110.49 48.145,110.49 ; JP5.8@47,113.04 JP5.8@46.99,113.03 48.15,113.03
  Bottom Layer w0.8: 45.175,113.05 45.195,113.03 JP5.8@46.975,113.03 ; 45.275,110.525 45.31,110.49 JP5.6@46.975,110.49 ; 45.375,105.375 45.41,105.41 JP5.2@46.975,105.41 ; 45.525,107.975 45.55,107.95 JP5.4@46.975,107.95 ; 46.975,103.875 JP5.2@46.975,105.41 ; 46.975,114.7 JP5.8@46.975,113.03 ; JP5.2@46.99,105.41 JP5.2@46.975,105.41 ; JP5.4@46.99,107.95 JP5.4@46.975,107.95 ; JP5.6@46.99,110.49 JP5.6@46.975,110.49 ; JP5.8@46.99,113.03 JP5.8@46.975,113.03 ; JP5.2@46.975,105.41 JP5.4@46.975,107.95 ; JP5.4@46.975,107.95 JP5.6@46.975,110.49 ; JP5.6@46.975,110.49 JP5.8@46.975,113.03
5V_OUT: C97.2 C98.2 C99.2 CN9.3 SB38.2 | length 25.1
  Top Layer w0.45: v1(36.25,101.6) v1(36.75,101.6) v1(37.25,101.6)
  Signal Layer 2 w0.3: 4.95,91.475 7.225,91.475 7.25,91.5
  Signal Layer 2 w0.45: 32.16,103.405 33.965,101.6 v1(36.25,101.6) v1(36.75,101.6) v1(37.25,101.6)
  Signal Layer 2 w0.8: 4.91,92.71 CN9.3@6.35,92.71 ; 6.35,91.732 CN9.3@6.35,92.71 ; 6.35,93.7 CN9.3@6.35,92.71 ; 7.625,92.725 7.61,92.71 CN9.3@6.35,92.71
  Bottom Layer w0.3: v1(36.25,101.6) 36.25,101.975 SB38.2@36.775,102.5 ; v1(36.75,101.6) 36.775,101.625 36.775,101.9 SB38.2@36.775,102.5 ; v1(37.25,101.6) 37.25,102.025 SB38.2@36.775,102.5
  Bottom Layer w0.4: CN9.3@6.35,92.71 7.76,92.71 C97.2@8.6,93.55 ; v1(21.725,103.85) v1(22.475,103.85) 22.775,103.85 C98.2@23.45,103.85
  Bottom Layer w0.45: v1(36.75,101.6) v1(36.25,101.6) 36.55,101.9 36.775,101.9 36.95,101.9 v1(37.25,101.6) 36.8,101.6 v1@36.775,101.625 ; SB38.2@36.775,102.5 36.775,102.925 37.275,103.425 C99.2@37.275,103.85